# KiCad board control_board.kicad_pcb
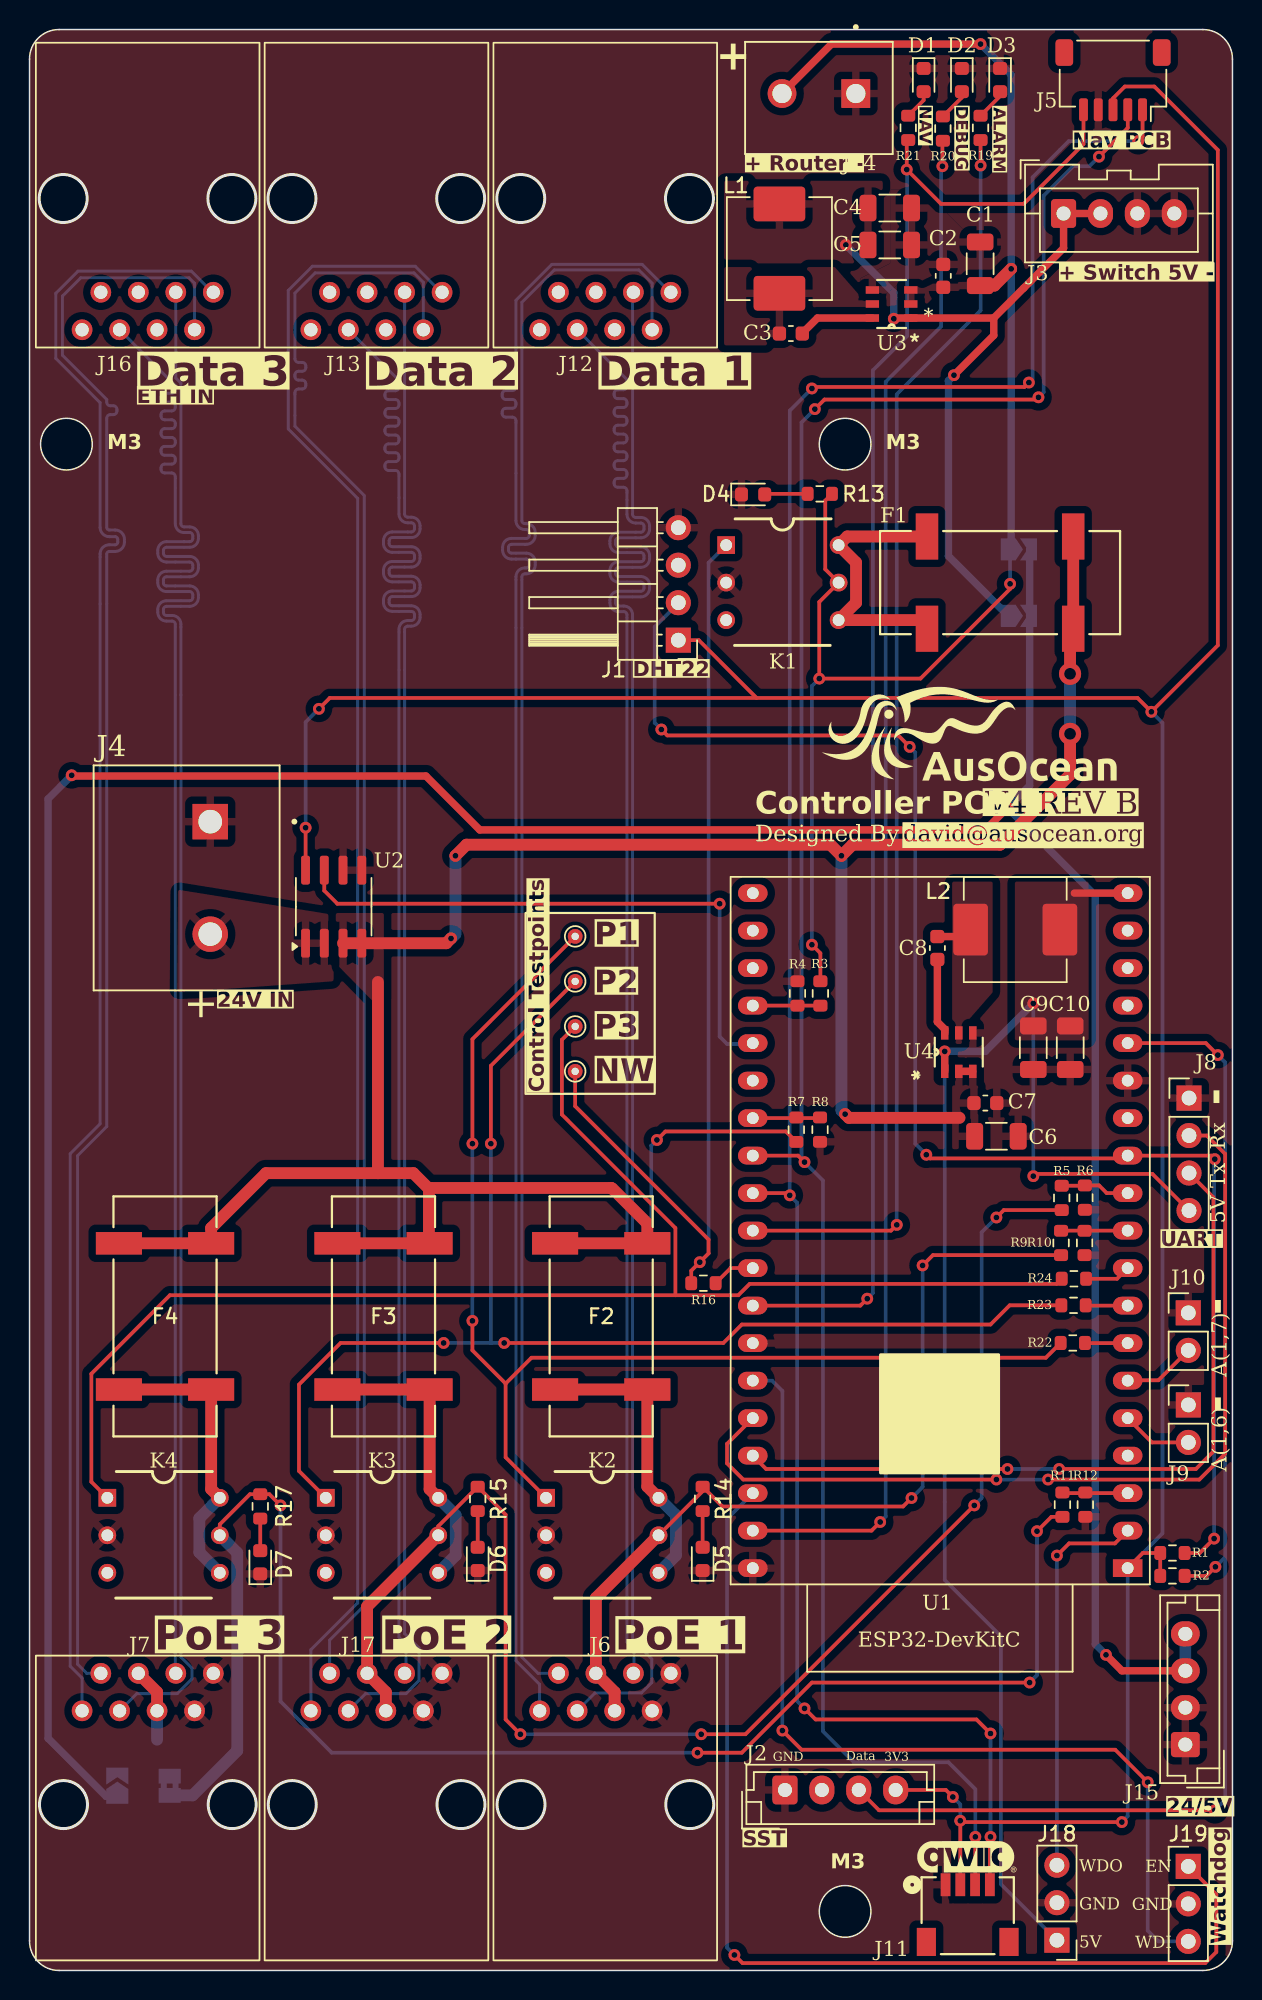
[diagram p0: board, top side]
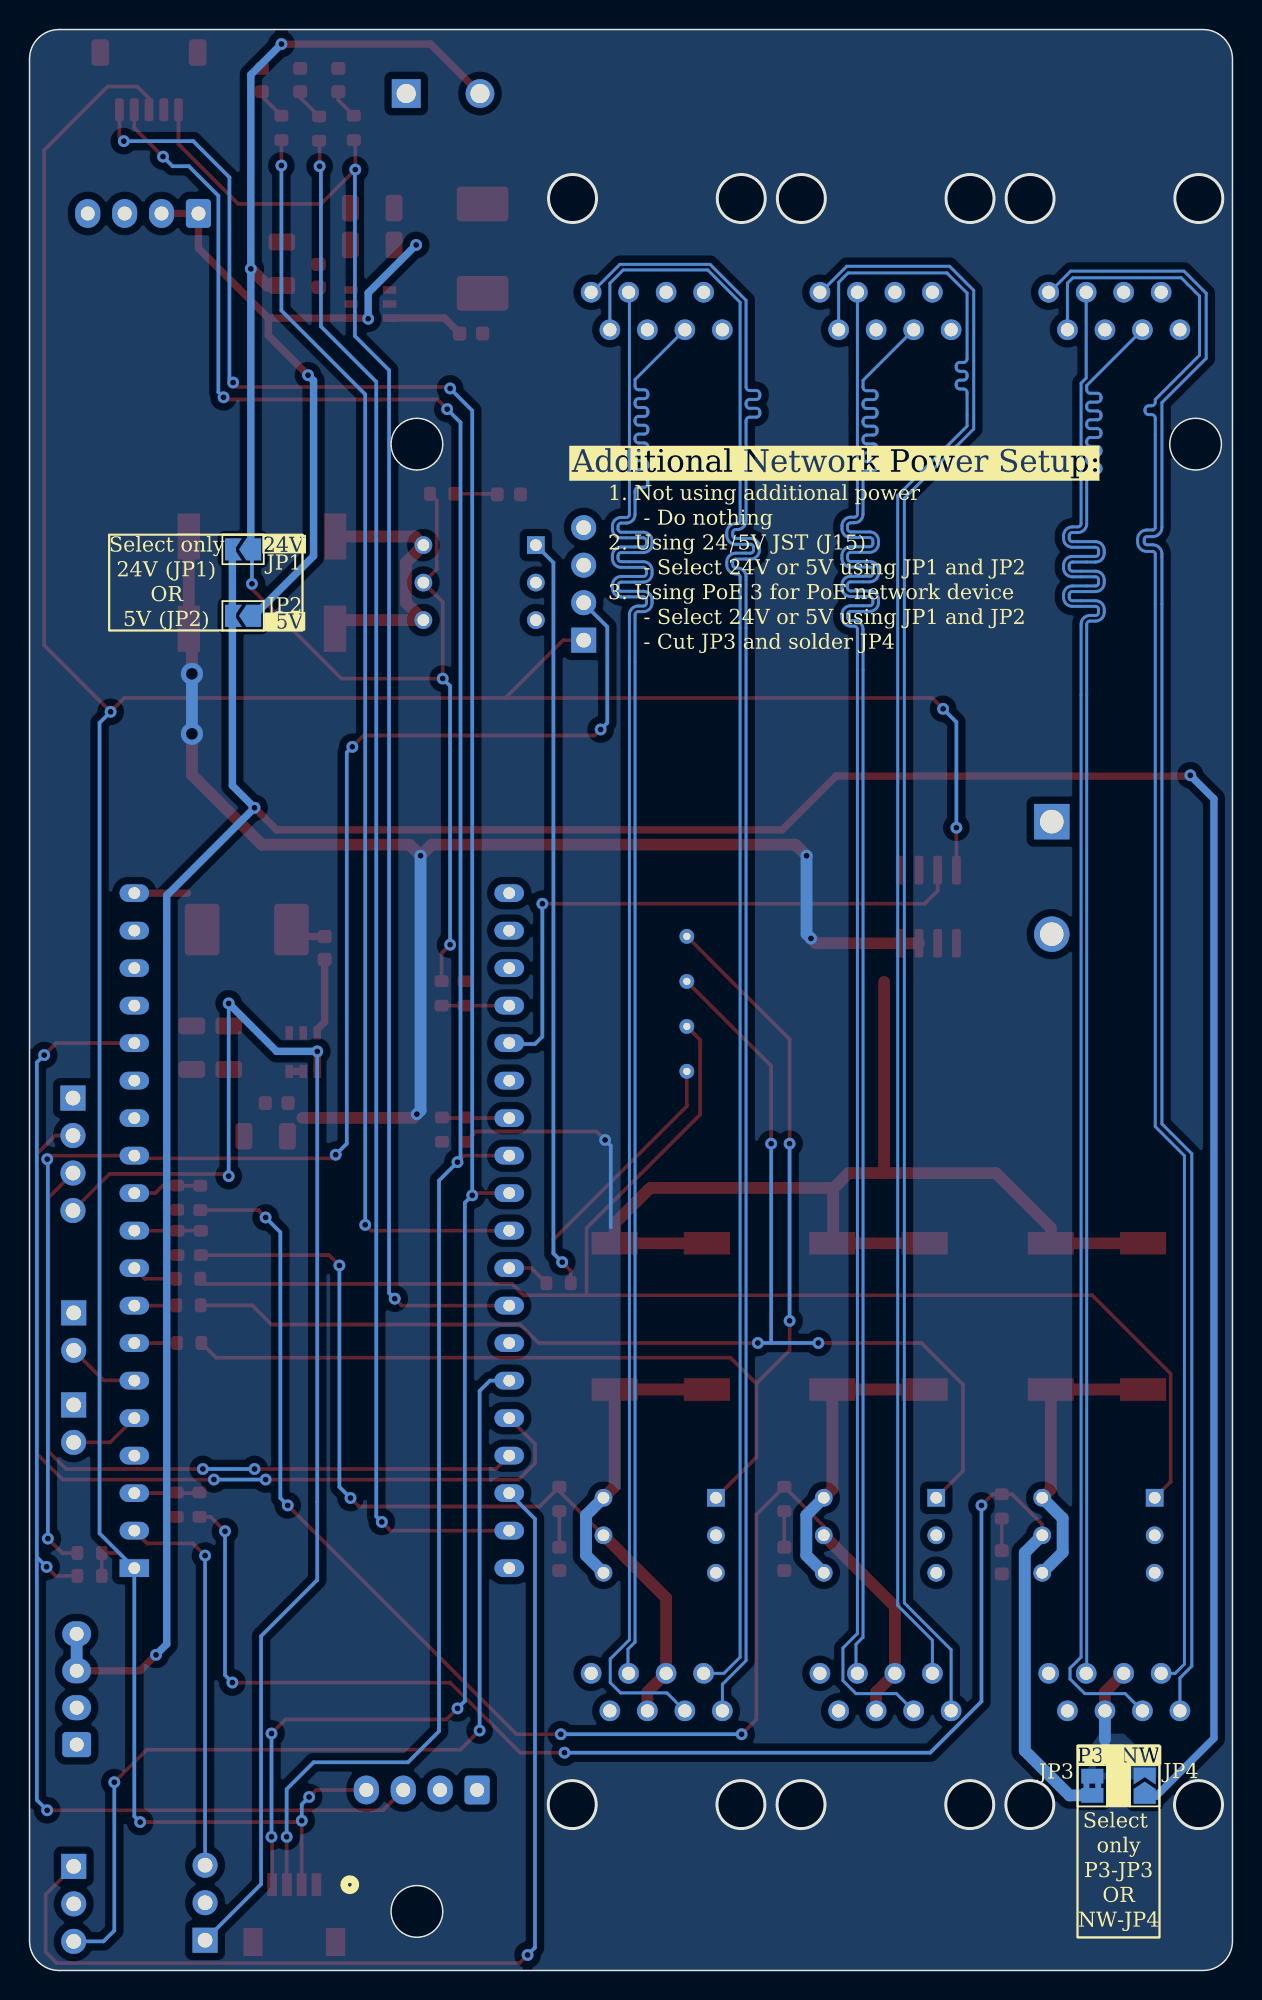
[diagram p1: board, bottom side, seen from below]

Outline 81.5 x 131.46 mm; copper layers: Top, Bottom. Coordinates in mm from the lower left corner of the outline.
Outline path: circle c2.5,103.38 r1.75 ; circle c55.26,103.38 r1.75 ; circle c55.26,4 r1.75 ; 0,129.46 arc(0.59,130.87) 2,131.46 79.5,131.46 arc(80.91,130.87) 81.5,129.46 81.5,2 arc(80.91,0.59) 79.5,0 2,0 arc(0.59,0.59) 0,2 0,129.46
Stack: Top 0.035mm / dielectric 1.51mm FR4 er 4.5 / Bottom 0.035mm

## Placement (name value [footprint] x y rotation side)
C1  10u  [C_1206_3216Metric]  64.41 115.59 90 top
C2  0.1u  [C_0603_1608Metric]  61.91 114.78 90 top
C3  0.1u  [C_0603_1608Metric]  51.58 110.87 180 top
C4  22u  [C_1206_3216Metric]  58.28 119.37 0 top
C5  22u  [C_1206_3216Metric]  58.28 116.87 0 top
C6  10u  [C_1206_3216Metric]  65.51 56.5 0 top
C7  0.1u  [C_0603_1608Metric]  64.76 58.75 0 top
C8  0.1u  [C_0603_1608Metric]  61.51 69.25 90 top
C9  22u  [C_1206_3216Metric]  68.01 62.5 270 top
C10  22u  [C_1206_3216Metric]  70.51 62.5 270 top
D1  LED (YELLOW)  [LED_0603_1608Metric]  60.58 128.04 270 top
D2  LED (BLUE)  [LED_0603_1608Metric]  63.17 128.04 270 top
D3  LED (RED)  [LED_0603_1608Metric]  65.76 128.04 270 top
D4  APHD1608LZGCK  [LED_0603_1608Metric]  49.02 99.97 0 top
D5  APHD1608LZGCK  [LED_0603_1608Metric]  45.6 27.88 90 top
D6  APHD1608LZGCK  [LED_0603_1608Metric]  30.36 27.88 90 top
D7  APHD1608LZGCK  [LED_0603_1608Metric]  15.63 27.65 90 top
F1  3588TR  [3588TR_FUSE_HOLDER]  65.76 94 270 top
F2  3588TR  [3588TR_FUSE_HOLDER]  38.73 44.3 0 top
F3  3588TR  [3588TR_FUSE_HOLDER]  23.98 44.3 0 top
F4  3588TR  [3588TR_FUSE_HOLDER]  9.18 44.3 0 top
G***  -  [LOGO]  63.66 83.75 0 top
G***#2  -  [LOGO]  63.45 7.76 0 top
J1  DHT22  [PinHeader_1x04_P2.54mm_Horizontal]  43.96 90.1 180 top
J2  DS18B20  [JST_EH_B4B-EH-A_1x04_P2.50mm_Vertical]  51.18 12.22 0 top
J3  Conn_01x04  [JST_XA_B04B-XASK-1_1x04_P2.50mm_Vertical]  70.06 119 0 top
J4  24V IN  [CUI_TB005-762-02BE]  12.24 77.81 270 top
J5  Conn_01x05_Pin  [JST_SH_SM05B-SRSS-TB_1x05-1MP_P1.00mm_Horizontal]  73.41 128.03 180 top
J6  PoE 1  [CONNFLY Elec DS1128-05-S8B8P]  39.01 20.12 0 top
J7  PoE 3  [CONNFLY Elec DS1128-05-S8B8P]  8.01 20.12 0 top
J8  UART  [PinHeader_1x04_P2.54mm_Vertical]  78.56 59.09 0 top
J9  ADC1,6  [PinHeader_1x02_P2.54mm_Vertical]  78.51 38.31 0 top
J10  ADC1,7  [PinHeader_1x02_P2.54mm_Vertical]  78.51 44.54 0 top
J11  Qwiic JST  [CONN_SM04B-SRSS-TB_JST]  63.56 3.71 180 top
J12  Data 1  [CONNFLY Elec DS1128-05-S8B8P]  39.01 111.12 180 top
J13  Data 2  [CONNFLY Elec DS1128-05-S8B8P]  23.51 111.12 180 top
J14  ROUTER 24V  [CUI_Screw_terminal_1x2]  55.98 127.12 180 top
J15  24V/5V OUT  [JST_EH_B4B-EH-A_1x04_P2.50mm_Vertical]  78.31 15.3 90 top
J16  Data 3  [CONNFLY Elec DS1128-05-S8B8P]  8.01 111.12 180 top
J17  PoE 2  [CONNFLY Elec DS1128-05-S8B8P]  23.51 20.12 0 top
J18  Conn_01x03  [PinHeader_1x03_P2.54mm_Vertical]  69.61 2.05 180 top
J19  Conn_01x03  [PinHeader_1x03_P2.54mm_Vertical]  78.51 7.05 0 top
JP1  SEL_24V  [SolderJumper-2_P1.3mm_Open_TrianglePad1.0x1.5mm]  67.03 96.25 0 bottom
JP2  SEL_5V  [SolderJumper-2_P1.3mm_Open_TrianglePad1.0x1.5mm]  67.03 91.75 0 bottom
JP3  SEL_P3  [SolderJumper-2_P1.3mm_Bridged2Bar_Pad1.0x1.5mm]  9.5 12.51 90 bottom
JP4  SEL_NW  [SolderJumper-2_P1.3mm_Open_TrianglePad1.0x1.5mm]  5.95 12.52 90 bottom
K1  LCA717  [DIP762W60P254L838H406Q6N]  51.01 94 0 top
K2  LCA717  [DIP762W60P254L838H406Q6N]  38.81 29.48 0 top
K3  LCA717  [DIP762W60P254L838H406Q6N]  23.88 29.48 0 top
K4  LCA717  [DIP762W60P254L838H406Q6N]  9.08 29.48 0 top
L1  6.8u  [L_Changjiang_FXL0630]  50.81 116.62 90 top
L2  6.8u  [L_Changjiang_FXL0630]  66.78 70.5 0 top
R1  4k7  [R_0603_1608Metric]  77.43 28.28 180 top
R2  4k7  [R_0603_1608Metric]  77.43 26.72 180 top
R3  150K  [R_0603_1608Metric]  53.58 66.18 270 top
R4  5K1  [R_0603_1608Metric]  52.03 66.18 90 top
R5  150K  [R_0603_1608Metric]  69.93 52.33 90 top
R6  5K1  [R_0603_1608Metric]  71.5 52.35 270 top
R7  150K  [R_0603_1608Metric]  51.95 56.95 90 top
R8  5K1  [R_0603_1608Metric]  53.56 56.95 270 top
R9  150K  [R_0603_1608Metric]  69.89 49.28 90 top
R10  5K1  [R_0603_1608Metric]  71.48 49.28 270 top
R11  150K  [R_0603_1608Metric]  69.98 31.55 90 top
R12  5K1  [R_0603_1608Metric]  71.53 31.55 270 top
R13  12K 1/4 W  [R_0603_1608Metric]  53.54 100.01 180 top
R14  12K 1/4 W  [R_0603_1608Metric]  45.6 31.94 270 top
R15  12K 1/4 W  [R_0603_1608Metric]  30.36 31.94 270 top
R16  2.2K  [R_0603_1608Metric]  45.66 46.55 0 top
R17  12K 1/4 W  [R_0603_1608Metric]  15.63 31.43 270 top
R19  280  [R_0603_1608Metric]  64.43 124.8 90 top
R20  120  [R_0603_1608Metric]  61.88 124.75 90 top
R21  280  [R_0603_1608Metric]  59.53 124.8 90 top
R22  2.2K  [R_0603_1608Metric]  70.68 42.5 0 top
R23  2.2K  [R_0603_1608Metric]  70.73 45.05 0 top
R24  2.2K  [R_0603_1608Metric]  70.76 46.85 0 top
TP1  TestPoint  [TestPoint_THTPad_D1.0mm_Drill0.5mm]  36.97 60.9 0 top
TP2  TestPoint  [TestPoint_THTPad_D1.0mm_Drill0.5mm]  36.97 70.04 0 top
TP3  TestPoint  [TestPoint_THTPad_D1.0mm_Drill0.5mm]  36.97 66.99 0 top
TP4  TestPoint  [TestPoint_THTPad_D1.0mm_Drill0.5mm]  36.97 63.94 0 top
U1  -  [ESP32-DevKitC]  74.4 27.25 180 top
U2  ACS722xLCTR-20AU  [SOIC-8_3.9x4.9mm_P1.27mm]  20.61 72.05 90 top
U3  AP63205WU-7  [SOIC_05WU-7_DIO]  58.41 112.87 180 top
U4  AP63205WU-7  [SOIC_05WU-7_DIO]  62.96 62.2 90 top

## Library data of the parts
C1-C10 = -: Description: Unpolarized capacitor, small symbol; ki_fp_filters: C_*
D1-D3 = -: ki_fp_filters: LED* LED_SMD:* LED_THT:*
D4-D7 = -: Description: Light emitting diode; ki_fp_filters: LED* LED_SMD:* LED_THT:*
F1-F4 = -: ki_fp_filters: 3588TR_6P73X16_KEY 3588TR_6P73X16_KEY-M 3588TR_6P73X16_KEY-L
J1 J3 = -: Description: Generic connector, single row, 01x04, script generated (kicad-library-utils/schlib/autogen/connector/); ki_fp_filters: Connector*:*_1x??_*
J2 J8-J10 J15 = -: ki_fp_filters: Connector*:*_1x??_*
J4 J14 = -: ki_fp_filters: TerminalBlock*:*
J5 = -: Description: Generic connector, single row, 01x05, script generated; ki_fp_filters: Connector*:*_1x??_*
J6 J7 J12 J13 J16 J17 = -: PARTREV: 1.0; STANDARD: Manufacturer Recommendations; MANUFACTURER: CUI Devices; MAXIMUM_PACKAGE_HEIGHT: 14.75mm
J11 = -: Datasheet: SM04B-SRSS-TB; ki_fp_filters: CONN_SM04B-SRSS-TB_JST
J18 J19 = -: Description: Generic connector, single row, 01x03, script generated (kicad-library-utils/schlib/autogen/connector/); ki_fp_filters: Connector*:*_1x??_*
JP1 JP2 JP4 = -: ki_fp_filters: Jumper* TestPoint*2Pads* TestPoint*Bridge*
JP3 = -: Description: Jumper, 2-pole, closed/bridged; ki_fp_filters: Jumper* TestPoint*2Pads* TestPoint*Bridge*
K1-K4 = -: Description: Single-Pole, Normally Open OptoMOS Relay; MANUFACTURER_NAME: IXYS SEMICONDUCTOR; MF: IXYS Integrated; MOUSER_PRICE-STOCK: https://www.mouser.co.uk/ProductDetail/IXYS-Integrated-Circuits/LCA717?qs=OpMkDkHXivO6K%2FzyQPme%2FA%3D%3D; MOUSER_PART_NUMBER: 849-LCA717; Price: None; Package: DIP-6 IXYS Integrated Circuits; Check_prices: https://www.snapeda.com/parts/LCA717/IXYS/view-part/?ref=eda; HEIGHT: 4.064mm; SnapEDA_Link: https://www.snapeda.com/parts/LCA717/IXYS/view-part/?ref=snap; ARROW_PRICE-STOCK: https://www.arrow.com/en/products/lca717/ixys; Description_1: Solid State  SPST-NO (1 Form A) 6-SMD (0.300, 7.62mm); Availability: In Stock
L1 L2 = -: Description: Inductor, small symbol; ki_fp_filters: Choke_* *Coil* Inductor_* L_*
R1-R12 R16 R22-R24 = -: ki_fp_filters: R_*
R13-R15 R17 = -: Description: Resistor; ki_fp_filters: R_*
R19-R21 = -: Description: Resistor, small symbol; ki_fp_filters: R_*
TP1-TP4 = -: Description: test point; ki_fp_filters: Pin* Test*
U1 = -: Datasheet: https://docs.espressif.com/projects/esp-idf/zh_CN/latest/esp32/hw-reference/esp32/get-started-devkitc.html
U2 = -: Datasheet: http://www.allegromicro.com/~/media/Files/Datasheets/ACS722-Datasheet.ashx?la=en; ki_fp_filters: SOIC*3.9x4.9mm*P1.27mm*
U3 U4 = -: ki_fp_filters: SOIC_05WU-7_DIO SOIC_05WU-7_DIO-M SOIC_05WU-7_DIO-L

## Footprints (pads in the part's own frame, mm; a bottom-side part is the same pattern mirrored in y, then rotated)
3588TR_FUSE_HOLDER
  rect 3.124x1.524 smd: 1(-3.124,4.953) 2(3.124,4.953) 3(-3.124,-4.953) 4(3.124,-4.953)
C_0603_1608Metric
  rrect 0.9x0.95 smd: 1(-0.775,0) 2(0.775,0)
C_1206_3216Metric
  rrect 1.15x1.8 smd: 1(-1.475,0) 2(1.475,0)
CONN_SM04B-SRSS-TB_JST
  rect 0.66x1.549 smd: 1(1.5,-2.099) 2(0.5,-2.099) 3(-0.5,-2.099) 4(-1.5,-2.099)
  rect 1.295x1.905 smd: 5(-2.8,1.777) 6(2.8,1.777)
CONNFLY Elec DS1128-05-S8B8P
  round 1.4 hole 0.9: 1(-4.445,-2.54) 2(-3.175,0) 3(-1.905,-2.54) 4(-0.635,0) 5(0.635,-2.54) 6(1.905,0) 7(3.175,-2.54) 8(4.445,0)
CUI_Screw_terminal_1x2
  rect 1.95x1.95 hole 1.3: 1(0,0)
  round 1.95 hole 1.3: 2(5,0)
CUI_TB005-762-02BE
  rect 2.4x2.4 hole 1.6: 1(0,0)
  round 2.4 hole 1.6: 2(7.62,0)
DIP762W60P254L838H406Q6N
  rect 1.2x1.2 hole 0.8: 1(-3.81,2.54)
  round 1.2 hole 0.8: 2(-3.81,0) 3(-3.81,-2.54) 4(3.81,-2.54) 5(3.81,0) 6(3.81,2.54)
ESP32-DevKitC
  rect 2x1.2 hole 0.8: 1(0,0)
  oval 2x1.2 hole 0.8: 2(0,-2.54) 3(0,-5.08) 4(0,-7.62) 5(0,-10.16) 6(0,-12.7) 7(0,-15.24) 8(0,-17.78) 9(0,-20.32) 10(0,-22.86) 11(0,-25.4) 12(0,-27.94) 13(0,-30.48) 14(0,-33.02) 15(0,-35.56) 16(0,-38.1) 17(0,-40.64) 18(0,-43.18) 19(0,-45.72) 20(25.396,-45.717) 21(25.396,-43.177) 22(25.4,-40.64) 23(25.4,-38.1) 24(25.4,-35.56) 25(25.4,-33.02) 26(25.4,-30.48) 27(25.4,-27.94) 28(25.4,-25.4) 29(25.4,-22.86) 30(25.4,-20.32) 31(25.4,-17.78) 32(25.4,-15.24) 33(25.4,-12.7) 34(25.4,-10.16) 35(25.4,-7.62) 36(25.4,-5.08) 37(25.4,-2.54) 38(25.4,0)
JST_EH_B4B-EH-A_1x04_P2.50mm_Vertical
  rrect 1.7x1.95 hole 0.95: 1(0,0)
  oval 1.7x1.95 hole 0.95: 2(2.5,0) 3(5,0) 4(7.5,0)
JST_SH_SM05B-SRSS-TB_1x05-1MP_P1.00mm_Horizontal
  rrect 0.6x1.55 smd: 1(-2,2) 2(-1,2) 3(0,2) 4(1,2) 5(2,2)
  rrect 1.2x1.8 smd: MP(-3.3,-1.875) MP(3.3,-1.875)
JST_XA_B04B-XASK-1_1x04_P2.50mm_Vertical
  rrect 1.7x1.95 hole 0.95: 1(0,0)
  oval 1.7x1.95 hole 0.95: 2(2.5,0) 3(5,0) 4(7.5,0)
L_Changjiang_FXL0630
  rrect 2.35x3.5 smd: 1(-3.025,0) 2(3.025,0)
LED_0603_1608Metric
  rrect 0.875x0.95 smd: 1(-0.787,0) 2(0.787,0)
PinHeader_1x02_P2.54mm_Vertical
  rect 1.7x1.7 hole 1: 1(0,0)
  oval 1.7x1.7 hole 1: 2(0,-2.54)
PinHeader_1x03_P2.54mm_Vertical
  rect 1.7x1.7 hole 1: 1(0,0)
  oval 1.7x1.7 hole 1: 2(0,-2.54) 3(0,-5.08)
PinHeader_1x04_P2.54mm_Horizontal
  rect 1.7x1.7 hole 1: 1(0,0)
  oval 1.7x1.7 hole 1: 2(0,-2.54) 3(0,-5.08) 4(0,-7.62)
PinHeader_1x04_P2.54mm_Vertical
  rect 1.7x1.7 hole 1: 1(0,0)
  oval 1.7x1.7 hole 1: 2(0,-2.54) 3(0,-5.08) 4(0,-7.62)
R_0603_1608Metric
  rrect 0.8x0.95 smd: 1(-0.825,0) 2(0.825,0)
SOIC-8_3.9x4.9mm_P1.27mm
  rrect 1.95x0.6 smd: 1(-2.475,1.905) 2(-2.475,0.635) 3(-2.475,-0.635) 4(-2.475,-1.905) 5(2.475,-1.905) 6(2.475,-0.635) 7(2.475,0.635) 8(2.475,1.905)
SOIC_05WU-7_DIO
  rect 0.902x0.508 smd: 1(-1.302,0.95) 2(-1.302,0) 3(-1.302,-0.95) 4(1.302,-0.95) 5(1.302,0) 6(1.302,0.95)
SolderJumper-2_P1.3mm_Bridged2Bar_Pad1.0x1.5mm
  rect 1x1.5 smd: 1(-0.65,0) 2(0.65,0)
SolderJumper-2_P1.3mm_Open_TrianglePad1.0x1.5mm
  custom 1.5x1.5 smd: 1(-0.725,0)
  custom 1.15x1.5 smd: 2(0.725,0)
TestPoint_THTPad_D1.0mm_Drill0.5mm
  round 1 hole 0.5: 1(0,0)

## Nets
5VIN: C9.1 C10.1 J8.4 J18.1 L2.2 U1.19 U4.1
24VIN: C6.1 C7.1 F1.1 F1.2 F2.1 F2.2 F3.1 F3.2 F4.1 F4.2 R7.1 U2.3 U2.4 U4.2 U4.3
+3V3: J1.1 J2.4 J5.3 J11.2 R1.2 R2.2 U1.1 U2.8
GND: C1.2 C2.2 C4.2 C5.2 C6.2 C7.2 C9.2 C10.2 D1.1 D2.1 D3.1 D4.1 D5.1 D6.1 D7.1 J1.4 J2.1 J3.3 J3.4 J4.1 J5.4 J6.7 J6.8 J7.7 J7.8 J8.1 J9.1 J10.1 J11.1 J14.1 J15.1 J15.2 J17.7 J17.8 J18.2 J19.2 K1.2 K2.2 K3.2 K4.2 R4.2 R6.2 R8.2 R10.2 R12.2 U1.14 U1.32 U1.38 U2.5 U2.6 U3.4 U4.4
5-24VOUT: J15.3 J15.4 JP1.2 JP2.2 JP4.1
_24V_in: R7.2 R8.1 U1.26
_NW_out: R3.2 R4.1 U1.23
_P1_out: R9.2 R10.1 U1.10
_P2_out: R5.2 R6.1 U1.11
_P3_out: R11.2 R12.1 U1.3
ADC1,6: J9.2 U1.5
ADC1,7: J10.2 U1.6
Alarm_LED: R19.1 U1.29
D1_Rx+: J6.1 J12.1
D1_Rx-: J6.2 J12.2
D1_Tx+: J6.3 J12.3
D1_Tx-: J6.6 J12.6
D2_Rx+: J13.1 J17.1
D2_Rx-: J13.2 J17.2
D2_Tx+: J13.3 J17.3
D2_Tx-: J13.6 J17.6
D3_Rx+: J7.1 J16.1
D3_Rx-: J7.2 J16.2
D3_Tx+: J7.3 J16.3
D3_Tx-: J7.6 J16.6
DHT: J1.2 R1.1 U1.12
EN: J18.3 U1.2
I_in: U1.24 U2.7
LED0: R20.1 U1.37
Navlight: J5.5 R21.1 U1.31
NW: R16.2 U1.30
NW_5V: C4.1 C5.1 J3.1 J3.2 JP2.1 L1.2 U3.1
NW_out: C1.1 C2.1 J14.2 JP1.1 K1.5 R3.1 R13.1 U3.2 U3.3
P1_out: J6.4 J6.5 K2.5 R9.1 R14.1
P2_out: J17.4 J17.5 K3.5 R5.1 R15.1
P3_NW: J7.4 J7.5 JP3.2 JP4.2
P3_out: JP3.1 K4.5 R11.1 R17.1
Power 1: R22.2 U1.7
Power 2: R23.2 U1.8
Power 3: R24.2 U1.9
RX: J8.2 U1.34
SCL: J5.1 J11.4 U1.28
SDA: J5.2 J11.3 U1.27
SST: J2.3 R2.1 U1.15
TX: J8.3 U1.35
WD_EN*: J19.1 U1.36
WD_IN: J19.3 U1.33
Net-(D1-A): D1.2 R21.2
Net-(D2-A): D2.2 R20.2
Net-(D3-A): D3.2 R19.2
Net-(D4-A): D4.2 R13.2
Net-(D5-A): D5.2 R14.2
Net-(D6-A): D6.2 R15.2
Net-(D7-A): D7.2 R17.2
Net-(J4-Pin_2): J4.2 U2.1 U2.2
Net-(K1-+CONTROL): K1.1 R16.1 TP1.1
Net-(K1-LOAD1): F1.3 F1.4 K1.4 K1.6
Net-(K2-+CONTROL): K2.1 R22.1 TP2.1
Net-(K2-LOAD1): F2.3 F2.4 K2.4 K2.6
Net-(K3-+CONTROL): K3.1 R23.1 TP3.1
Net-(K3-LOAD1): F3.3 F3.4 K3.4 K3.6
Net-(K4-+CONTROL): K4.1 R24.1 TP4.1
Net-(K4-LOAD1): F4.3 F4.4 K4.4 K4.6
Net-(U3-BST): C3.1 U3.6
Net-(U3-SW): C3.2 L1.1 U3.5
Net-(U4-BST): C8.1 U4.6
Net-(U4-SW): C8.2 L2.1 U4.5

Pads without a net: J1 3; J2 2; J5 MP; J11 5 6; J12 4 5 7 8; J13 4 5 7 8; J16 4 5 7 8; K1 3; K2 3; K3 3; K4 3; U1 4 13 16 17 18 20 21 22 25

## Via types
v1: diameter 0.8, hole 0.4, Top to Bottom, 76 vias
v2: diameter 1.5, hole 0.8, Top to Bottom, 2 vias

## Routing (per net, layer and track width the routed paths; a pad name or vN(x,y) marks a point on that pad's centre or on a via; arc(x,y) is an arc through that point)
5VIN: length 99
  Top w0.25: v1(68.01,53.8) 68.16,53.95 76.08,53.95 J8.4
  Top w0.5: U1.19 70.79,72.97 ; U4.1 v1(62.01,62.25)
  Bottom w0.25: J18.1 65.81,5.84 65.81,22.65 62.01,26.45 v1(62.01,62.25) ; v1(68.01,53.8) v1(68.01,65.5)
  Bottom w0.5: v1(62.01,62.25) 64.76,62.25 v1(68.01,65.5)
24VIN: length 186.7
  Top w0.25: R7.1 51.25,56.83 43.08,56.83 v1(42.51,56.25)
  Top w0.5: U4.2 U4.3
  Top w0.8: v2(70.5,83.76) 70.5,80.99 65.76,76.25 55.76,76.25 v1(55.01,75.5) 54.26,76.25 29.61,76.25 v1(28.86,75.5) ; v2(70.5,87.82) 70.5,90.66 F1.2 F1.1 ; 21.24,69.58 28.23,69.58 v1(28.56,69.9) ; 63.01,57.75 55.51,57.75 v1(55.26,58) ; 23.61,54 23.61,66.95 ; 23.61,54 26.01,54 27.06,52.95 ; 23.61,54 16.02,54 12.31,50.29 F4.2 F4.1 ; 27.06,52.95 27.11,53 39.4,53 39.45,52.95 ; 27.06,52.95 27.06,49.3 F3.2 F3.1 ; 39.48,52.97 41.86,50.59 F2.2 F2.1
  Bottom w0.25: v1(42.51,56.25) 42.12,55.86 42.12,50.33
  Bottom w0.8: v1(55.01,75.5) 55.01,58.25 v1(55.26,58) ; v1(28.86,75.5) 28.86,70.2 v1(28.56,69.9) ; v2(70.5,83.76) v2(70.5,87.82)
+3V3: length 227.3
  Top w0.25: v1(19.61,85.45) 20.34,86.19 49.26,86.19 ; U2.8 18.71,74.53 v1(18.71,77.4) ; 49.26,86.19 45.34,90.1 J1.1 ; 49.26,86.19 75.07,86.19 v1(76.01,85.25) 80.51,89.75 80.51,123.3 76.21,127.6 74.21,127.6 73.41,126.8 J5.3 ; J2.4 62.08,12.22 v1(62.56,11.75) ; J11.2 63.06,10.14 v1(63.06,10.15) 63.15,10.05 v1(74.01,10.05) ; U1.1 75.43,28.28 R1.2 R2.2
  Bottom w0.25: v1(63.06,10.15) 63.06,11.25 v1(62.56,11.75) ; v1(74.01,10.05) 74.4,10.44 U1.1 76.76,29.61 76.76,84.5 v1(76.01,85.25) ; v1(19.61,85.45) 18.71,84.55 v1(18.71,77.4)
GND: length 0.1
  Bottom w0.25: 78.51,15.35 78.51,15.42
5-24VOUT: length 224.3
  Top w0.5: v1(66.26,78.75) 64.76,77.25 30.51,77.25 26.86,80.9 2.91,80.9 v1(2.86,80.95) ; v1(72.93,21.38) 74.01,20.3 J15.3
  Bottom w0.5: JP4.1 5.19,11.79 1.26,15.72 1.26,79.35 v1(2.86,80.95) ; JP1.2 JP2.2 67.76,80.25 v1(66.26,78.75) 72.21,72.8 72.21,22.1 v1(72.93,21.38)
  Bottom w0.8: J15.4 J15.3
_24V_in: length 4.6
  Top w0.25: U1.26 53.51,57.73 R8.1
_NW_out: length 4.6
  Top w0.25: U1.23 R3.2
_P1_out: length 4.5
  Top w0.25: R9.2 69.9,50.11 U1.10
_P2_out: length 4.7
  Top w0.25: R5.2 71.48,53.15 R6.1 72.46,53.17 72.98,52.65 U1.11
_P3_out: length 4.4
  Top w0.25: U1.3 70.03,32.33 69.98,32.38
ADC1,6: length 4.8
  Top w0.25: J9.2 76.05,35.77 U1.5
ADC1,7: length 5
  Top w0.25: U1.6 74.43,39.98 76.48,39.98 J10.2
Alarm_LED: length 85.8
  Top w0.25: 64.44,124.02 64.43,124.02 64.43,122.26 v1(64.44,122.25) ; v1(58.76,50.5) 58.37,50.11 U1.29
  Bottom w0.25: v1(64.44,122.25) 64.44,112.43 58.76,106.75 v1(58.76,50.5)
D1_Rx+: length 115.5
  Bottom w0.2: J6.1 34.56,17.59 34.56,19.38 32.96,20.98 32.96,94.39 arc(33.13,94.82) 33.56,94.99 33.66,94.99 arc(33.8,95.05) 33.86,95.19 33.86,95.39 arc(33.8,95.54) 33.66,95.59 32.65,95.59 arc(32.23,95.77) 32.05,96.19 32.05,96.39 arc(32.23,96.82) 32.65,96.99 33.66,96.99 arc(33.8,97.05) 33.86,97.19 33.86,97.39 arc(33.8,97.54) 33.66,97.59 33.56,97.59 arc(33.13,97.77) 32.96,98.19 32.96,104.97 arc(32.89,105.14) 32.72,105.21 32.26,105.21 arc(32.09,105.28) 32.02,105.45 32.02,105.57 arc(32.09,105.74) 32.26,105.81 32.72,105.81 arc(32.89,105.88) 32.96,106.05 32.96,106.17 arc(32.89,106.34) 32.72,106.41 32.26,106.41 arc(32.09,106.48) 32.02,106.65 32.02,106.77 arc(32.09,106.94) 32.26,107.01 32.72,107.01 arc(32.89,107.08) 32.96,107.25 32.96,113.12 35.39,115.56 41.5,115.56 43.39,113.67 J12.1
D1_Rx-: length 112
  Bottom w0.2: J6.2 34.45,20.12 33.36,21.22 33.36,94.39 arc(33.41,94.54) 33.56,94.59 33.66,94.59 arc(34.08,94.77) 34.26,95.19 34.26,95.39 arc(34.08,95.82) 33.66,95.99 32.65,95.99 arc(32.51,96.05) 32.45,96.19 32.45,96.39 arc(32.51,96.54) 32.65,96.59 33.66,96.59 arc(34.08,96.77) 34.26,97.19 34.26,97.39 arc(34.08,97.82) 33.66,97.99 33.56,97.99 arc(33.41,98.05) 33.36,98.19 33.36,112.98 35.55,115.18 41.28,115.18 42.18,114.28 J12.2
D1_Tx+: length 112
  Bottom w0.2: J6.3 38.32,18.8 41.46,18.8 42.16,19.5 42.16,21.1 40.86,22.4 40.86,91.82 arc(40.68,92.24) 40.27,92.41 39.91,92.41 arc(39.76,92.48) 39.7,92.62 39.7,92.82 arc(39.76,92.97) 39.91,93.03 41.42,93.03 arc(41.84,93.21) 42.01,93.62 42.01,93.82 arc(41.84,94.24) 41.42,94.41 39.91,94.41 arc(39.76,94.48) 39.7,94.62 39.7,94.82 arc(39.76,94.97) 39.91,95.03 41.42,95.03 arc(41.84,95.21) 42.01,95.62 42.01,95.82 arc(41.84,96.24) 41.42,96.41 39.91,96.41 arc(39.76,96.48) 39.7,96.62 39.7,96.82 arc(39.76,96.97) 39.91,97.03 41.42,97.03 arc(41.84,97.21) 42.01,97.62 42.01,97.82 arc(41.84,98.24) 41.42,98.41 41.07,98.41 arc(40.92,98.48) 40.86,98.62 40.86,113.61 J12.3
D1_Tx-: length 112
  Bottom w0.2: J12.6 40.48,107.75 40.48,107.3 arc(40.41,107.13) 40.24,107.06 39.85,107.06 arc(39.68,106.99) 39.61,106.82 39.61,106.7 arc(39.68,106.53) 39.85,106.46 40.24,106.46 arc(40.41,106.39) 40.48,106.22 40.48,106.1 arc(40.41,105.93) 40.24,105.86 39.85,105.86 arc(39.68,105.79) 39.61,105.62 39.61,105.5 arc(39.68,105.33) 39.85,105.26 40.24,105.26 arc(40.41,105.19) 40.48,105.02 40.48,104.9 arc(40.41,104.73) 40.24,104.66 39.85,104.66 arc(39.68,104.59) 39.61,104.42 39.61,104.3 arc(39.68,104.13) 39.85,104.06 40.24,104.06 arc(40.41,103.99) 40.48,103.82 40.48,103.7 arc(40.41,103.53) 40.24,103.46 39.85,103.46 arc(39.68,103.39) 39.61,103.22 39.61,103.1 arc(39.68,102.93) 39.85,102.86 40.24,102.86 arc(40.41,102.79) 40.48,102.62 40.48,102.5 arc(40.41,102.33) 40.24,102.26 39.85,102.26 arc(39.68,102.19) 39.61,102.02 39.61,101.9 arc(39.68,101.73) 39.85,101.66 40.24,101.66 arc(40.41,101.59) 40.48,101.42 40.48,101.3 arc(40.41,101.13) 40.24,101.06 39.85,101.06 arc(39.68,100.99) 39.61,100.82 39.61,100.7 arc(39.68,100.53) 39.85,100.46 40.24,100.46 arc(40.41,100.39) 40.48,100.22 40.48,98.62 arc(40.65,98.21) 41.07,98.03 41.42,98.03 arc(41.57,97.97) 41.63,97.82 41.63,97.62 arc(41.57,97.48) 41.42,97.41 39.91,97.41 arc(39.49,97.24) 39.32,96.82 39.32,96.62 arc(39.49,96.21) 39.91,96.03 41.42,96.03 arc(41.57,95.97) 41.63,95.82 41.63,95.62 arc(41.57,95.48) 41.42,95.41 39.91,95.41 arc(39.49,95.24) 39.32,94.82 39.32,94.62 arc(39.49,94.21) 39.91,94.03 41.42,94.03 arc(41.57,93.97) 41.63,93.82 41.63,93.62 arc(41.57,93.48) 41.42,93.41 39.91,93.41 arc(39.49,93.24) 39.32,92.82 39.32,92.62 arc(39.49,92.21) 39.91,92.03 40.27,92.03 arc(40.41,91.97) 40.48,91.82 40.48,22.24 40.96,21.76 40.96,20.17 J6.6
D2_Rx+: length 111.3
  Bottom w0.2: J17.1 19.06,21.72 22.23,24.89 22.23,99.71 17.53,104.41 17.53,113.79 19.16,115.43 26.13,115.43 27.89,113.67 J13.1
D2_Rx-: length 111.3
  Bottom w0.2: J17.2 20.33,22.38 22.68,24.72 22.68,99.89 17.98,104.59 17.98,106.88 arc(18.05,107.05) 18.22,107.12 18.48,107.12 arc(18.65,107.19) 18.72,107.36 18.72,107.48 arc(18.65,107.65) 18.48,107.72 18.22,107.72 arc(18.05,107.79) 17.98,107.96 17.98,108.08 arc(18.05,108.25) 18.22,108.32 18.48,108.32 arc(18.65,108.39) 18.72,108.56 18.72,108.68 arc(18.65,108.85) 18.48,108.92 18.22,108.92 arc(18.05,108.99) 17.98,109.16 17.98,113.61 19.35,114.98 26.04,114.98 26.68,114.34 J13.2
D2_Tx+: length 112
  Bottom w0.2: J17.3 22.77,18.75 25.51,18.75 26.39,19.64 26.39,21.84 25.41,22.82 25.41,90.84 arc(25.47,90.99) 25.62,91.05 25.87,91.05 arc(26.29,91.22) 26.46,91.64 26.46,91.84 arc(26.29,92.26) 25.87,92.43 24.57,92.43 arc(24.42,92.49) 24.36,92.64 24.36,92.84 arc(24.42,92.99) 24.57,93.05 25.87,93.05 arc(26.29,93.22) 26.46,93.64 26.46,93.84 arc(26.29,94.26) 25.87,94.43 24.57,94.43 arc(24.42,94.49) 24.36,94.64 24.36,94.84 arc(24.42,94.99) 24.57,95.05 25.87,95.05 arc(26.29,95.22) 26.46,95.64 26.46,95.84 arc(26.29,96.26) 25.87,96.43 24.57,96.43 arc(24.42,96.49) 24.36,96.64 24.36,96.84 arc(24.42,96.99) 24.57,97.05 25.87,97.05 arc(26.29,97.22) 26.46,97.64 26.46,97.84 arc(26.29,98.26) 25.87,98.43 25.62,98.43 arc(25.47,98.49) 25.41,98.64 J13.3
D2_Tx-: length 112
  Bottom w0.2: J17.6 25.51,20.22 25.51,22.09 25.03,22.57 25.03,90.84 arc(25.2,91.26) 25.62,91.43 25.87,91.43 arc(26.02,91.49) 26.08,91.64 26.08,91.84 arc(26.02,91.99) 25.87,92.05 24.57,92.05 arc(24.16,92.22) 23.98,92.64 23.98,92.84 arc(24.16,93.26) 24.57,93.43 25.87,93.43 arc(26.02,93.49) 26.08,93.64 26.08,93.84 arc(26.02,93.99) 25.87,94.05 24.57,94.05 arc(24.16,94.22) 23.98,94.64 23.98,94.84 arc(24.16,95.26) 24.57,95.43 25.87,95.43 arc(26.02,95.49) 26.08,95.64 26.08,95.84 arc(26.02,95.99) 25.87,96.05 24.57,96.05 arc(24.16,96.22) 23.98,96.64 23.98,96.84 arc(24.16,97.26) 24.57,97.43 25.87,97.43 arc(26.02,97.49) 26.08,97.64 26.08,97.84 arc(26.02,97.99) 25.87,98.05 25.62,98.05 arc(25.2,98.22) 25.03,98.64 25.03,101.36 arc(24.96,101.53) 24.79,101.6 24.32,101.6 arc(24.15,101.67) 24.08,101.84 24.08,101.96 arc(24.15,102.13) 24.32,102.2 24.79,102.2 arc(24.96,102.27) 25.03,102.44 25.03,102.56 arc(24.96,102.73) 24.79,102.8 24.32,102.8 arc(24.15,102.87) 24.08,103.04 24.08,103.16 arc(24.15,103.33) 24.32,103.4 24.79,103.4 arc(24.96,103.47) 25.03,103.64 25.03,103.76 arc(24.96,103.93) 24.79,104 24.32,104 arc(24.15,104.07) 24.08,104.24 24.08,104.36 arc(24.15,104.53) 24.32,104.6 24.79,104.6 arc(24.96,104.67) 25.03,104.84 25.03,104.96 arc(24.96,105.13) 24.79,105.2 24.32,105.2 arc(24.15,105.27) 24.08,105.44 24.08,105.56 arc(24.15,105.73) 24.32,105.8 24.79,105.8 arc(24.96,105.87) 25.03,106.04 25.03,106.16 arc(24.96,106.33) 24.79,106.4 24.32,106.4 arc(24.15,106.47) 24.08,106.64 24.08,106.76 arc(24.15,106.93) 24.32,107 24.79,107 arc(24.96,107.07) 25.03,107.24 25.03,107.7 J13.6
D3_Rx+: length 112
  Bottom w0.2: J7.1 3.56,19.81 2.76,20.61 2.76,55.32 4.78,57.34 4.78,95.94 arc(4.96,96.38) 5.41,96.56 5.8,96.56 arc(5.93,96.61) 5.98,96.74 5.98,96.94 arc(5.93,97.06) 5.8,97.11 5.41,97.11 arc(4.96,97.29) 4.78,97.74 4.78,106.19 1.78,109.19 1.78,113.59 3.28,115.09 10.96,115.09 12.39,113.67 J16.1
D3_Rx-: length 112
  Bottom w0.2: J16.2 11.18,114.28 10.81,114.65 3.47,114.65 2.23,113.41 2.23,109.4 5.23,106.4 5.23,106.22 arc(5.3,106.05) 5.47,105.98 5.68,105.98 arc(5.85,105.91) 5.92,105.74 5.92,105.62 arc(5.85,105.45) 5.68,105.38 5.47,105.38 arc(5.3,105.31) 5.23,105.14 5.23,97.74 arc(5.28,97.61) 5.41,97.56 5.8,97.56 arc(6.25,97.38) 6.43,96.94 6.43,96.74 arc(6.25,96.29) 5.8,96.11 5.41,96.11 arc(5.28,96.06) 5.23,95.94 5.23,57.16 3.26,55.18 3.26,20.75 3.88,20.12 J7.2
D3_Tx+: length 112
  Bottom w0.2: J7.3 7.27,18.75 10.01,18.75 11.01,19.75 11.01,20.47 10.26,21.22 10.26,91.18 arc(10.08,91.6) 9.67,91.77 9.28,91.77 arc(9.13,91.83) 9.07,91.98 9.07,92.18 arc(9.13,92.33) 9.28,92.39 10.85,92.39 arc(11.27,92.57) 11.44,92.98 11.44,93.18 arc(11.27,93.6) 10.85,93.77 9.28,93.77 arc(9.13,93.83) 9.07,93.98 9.07,94.18 arc(9.13,94.33) 9.28,94.39 10.85,94.39 arc(11.27,94.57) 11.44,94.98 11.44,95.18 arc(11.27,95.6) 10.85,95.77 9.28,95.77 arc(9.13,95.83) 9.07,95.98 9.07,96.18 arc(9.13,96.33) 9.28,96.39 10.85,96.39 arc(11.27,96.57) 11.44,96.98 11.44,97.18 arc(11.27,97.6) 10.85,97.77 10.47,97.77 arc(10.32,97.83) 10.26,97.98 10.26,107.51 9.91,107.85 J16.3
D3_Tx-: length 112
  Bottom w0.2: J16.6 9.88,107.35 9.88,107.07 arc(9.81,106.9) 9.64,106.83 9.15,106.83 arc(8.98,106.76) 8.91,106.59 8.91,106.47 arc(8.98,106.3) 9.15,106.23 9.64,106.23 arc(9.81,106.16) 9.88,105.99 9.88,105.87 arc(9.81,105.7) 9.64,105.63 9.15,105.63 arc(8.98,105.56) 8.91,105.39 8.91,105.27 arc(8.98,105.1) 9.15,105.03 9.64,105.03 arc(9.81,104.96) 9.88,104.79 9.88,104.67 arc(9.81,104.5) 9.64,104.43 9.15,104.43 arc(8.98,104.36) 8.91,104.19 8.91,104.07 arc(8.98,103.9) 9.15,103.83 9.64,103.83 arc(9.81,103.76) 9.88,103.59 9.88,103.47 arc(9.81,103.3) 9.64,103.23 9.15,103.23 arc(8.98,103.16) 8.91,102.99 8.91,102.87 arc(8.98,102.7) 9.15,102.63 9.64,102.63 arc(9.81,102.56) 9.88,102.39 9.88,102.27 arc(9.81,102.1) 9.64,102.03 9.15,102.03 arc(8.98,101.96) 8.91,101.79 8.91,101.67 arc(8.98,101.5) 9.15,101.43 9.64,101.43 arc(9.81,101.36) 9.88,101.19 9.88,97.98 arc(10.05,97.57) 10.47,97.39 10.85,97.39 arc(11,97.33) 11.06,97.18 11.06,96.98 arc(11,96.83) 10.85,96.77 9.28,96.77 arc(8.86,96.6) 8.69,96.18 8.69,95.98 arc(8.86,95.57) 9.28,95.39 10.85,95.39 arc(11,95.33) 11.06,95.18 11.06,94.98 arc(11,94.83) 10.85,94.77 9.28,94.77 arc(8.86,94.6) 8.69,94.18 8.69,93.98 arc(8.86,93.57) 9.28,93.39 10.85,93.39 arc(11,93.33) 11.06,93.18 11.06,92.98 arc(11,92.83) 10.85,92.77 9.28,92.77 arc(8.86,92.6) 8.69,92.18 8.69,91.98 arc(8.86,91.57) 9.28,91.39 9.67,91.39 arc(9.81,91.33) 9.88,91.18 9.88,20.16 J7.6
DHT: length 102.8
  Top w0.25: v1(59.63,82.88) 58.86,83.65 43.21,83.65 v1(42.81,84.05) ; v1(80.3,54.95) 80.06,55.19 U1.12 74.21,55 61.01,55 v1(60.76,55.25) ; R1.1 79.28,28.28 v1(80.26,29.25)
  Bottom w0.25: v1(42.81,84.05) 42.36,84.5 42.36,91 43.96,92.6 ; v1(60.76,55.25) 60.01,56 60.01,82.5 v1(59.63,82.88) ; v1(80.26,29.25) 80.26,54.91 v1(80.3,54.95)
EN: length 26.5
  Top w0.25: v1(69.61,28.1) 70.43,28.93 73.53,28.93 U1.2
  Bottom w0.25: v1(69.61,28.1) J18.3
I_in: length 40
  Top w0.25: U2.7 19.97,73.14 20.86,72.25 v1(46.76,72.25)
  Bottom w0.25: U1.24 48.94,62.75 47.26,62.75 46.76,63.25 v1(46.76,72.25)
LED0: length 104.2
  Top w0.25: U1.37 57.05,29.79 v1(57.63,30.38) ; v1(61.85,122.2) 61.85,123.89 R20.1
  Bottom w0.25: v1(57.63,30.38) 58.01,30.75 58.01,107.6 61.76,111.35 61.76,122.11 v1(61.85,122.2)
Navlight: length 104.5
  Top w0.25: v1(56.76,45.5) 56.29,45.03 U1.31 ; J5.5 71.41,123.7 67.36,119.65 61.76,119.65 v1(59.43,121.98) 59.43,123.88 R21.1
  Bottom w0.25: v1(56.76,45.5) 57.14,45.88 57.14,108.38 59.46,110.7 59.46,121.95 v1(59.43,121.98)
NW: length 2.9
  Top w0.25: U1.30 49,47.58 47.51,47.58 R16.2
NW_5V: length 47.8
  Top w0.5: v1(58.56,111.87) 58.61,111.92 U3.1 65.33,111.92 ; 65.33,111.92 65.33,110.74 v1(62.63,108.05) ; 65.33,111.92 70.06,116.65 J3.1 J3.2
  Bottom w0.5: v1(62.63,108.05) 62.26,107.68 62.26,95.8 JP2.1 ; v1(55.31,116.87) 58.56,113.62 v1(58.56,111.87)
NW_out: length 105.3
  Top w0.25: v1(66.43,93.92) 66.43,93.57 60.36,87.5 v1(53.51,87.5) 53.51,92.69 K1.5 53.91,94.91 53.91,99.56 R13.1 ; R3.1 53.58,68.9 v1(53.01,69.48)
  Top w0.5: J14.2 54.33,130.47 v1(64.43,130.47)
  Top w0.8: C1.1 65.38,114.12 v1(66.51,115.25)
  Bottom w0.25: v1(53.01,69.48) 53.01,87 v1(53.51,87.5) ; JP1.1 66.43,96.12 v1(66.43,93.92)
  Bottom w0.5: v1(64.43,130.47) 66.51,128.4 v1(66.51,115.25) 66.51,96.45 JP1.1
P1_out: length 59.4
  Top w0.25: R9.1 61.21,48.45 v1(60.51,47.75) ; v1(59.76,32) 59.18,31.43 46.94,31.43 R14.1 45.6,32.46 K2.5
  Top w0.8: K2.5 38.37,25.23 J6.4 39.64,18.86 J6.5
  Bottom w0.25: v1(60.51,47.75) 60.51,32.75 v1(59.76,32)
P2_out: length 98.7
  Top w0.25: v1(64.01,31.5) 48.51,16 v1(45.51,16) ; R5.1 66.01,51.5 v1(65.51,51) ; v1(33.26,16) 32.26,17 32.26,30.87 R15.1 27.69,30.09 K3.5
  Top w0.8: K3.5 22.87,24.66 J17.4 24.14,18.86 J17.5
  Bottom w0.25: v1(64.01,31.5) 64.51,32 64.51,50 v1(65.51,51) ; v1(33.26,16) v1(45.51,16)
P3_NW: length 5
  Top w0.8: J7.4 8.64,18.86 J7.5
  Bottom w0.8: J7.5 8.64,15.64
P3_out: length 106.9
  Top w0.25: v1(67.76,19.5) 53.01,19.5 48.26,14.75 v1(45.26,14.75) ; K4.5 12.89,30.22 14.93,32.26 R17.1 16.25,32.26 v1(17.01,31.5) ; R11.1 69.23,30.73 v1(68.26,29.75)
  Bottom w0.25: v1(17.01,31.5) 17.01,18.22 20.47,14.75 v1(45.26,14.75) ; v1(67.76,19.5) 68.26,20 v1(68.26,29.75)
  Bottom w0.8: JP3.1 11.05,11.86 14.07,14.89 14.07,28.3 K4.5
Power 1: length 3.1
  Top w0.25: 71.67,42.5 R22.2 71.52,42.49 U1.7
Power 2: length 2.9
  Top w0.25: 71.61,45.03 71.58,45 ; R23.2 71.58,45.03 U1.8
Power 3: length 3.1
  Top w0.25: R24.2 73.68,46.85 U1.9
RX: length 62
  Top w0.25: v1(65.51,33.25) 48.36,33.25 47.26,34.35 47.26,35.67 U1.34 ; J8.2 79.76,56.55 81.01,55.3 81.01,35 79.26,33.25 v1(69.01,33.25)
  Bottom w0.25: v1(65.51,33.25) v1(69.01,33.25)
SCL: length 155.9
  Top w0.25: J11.4 65.06,9.01 v1(65.11,9.05) ; v1(65.11,16.05) 64.16,17 53.26,17 v1(52.51,17.75) ; v1(67.71,107.55) 67.41,107.25 53.11,107.25 v1(53.01,107.15) ; U1.28 51.36,52.65 v1(51.51,52.5) ; J5.1 75.41,124.2 v1(75.11,123.9)
  Bottom w0.25: v1(67.71,107.55) 67.96,107.8 67.96,121.45 70.41,123.9 v1(75.11,123.9) ; v1(65.11,9.05) v1(65.11,16.05) ; v1(52.51,17.75) 52.01,18.25 52.01,52 v1(51.51,52.5) 51.51,105.65 v1(53.01,107.15)
SDA: length 150.7
  Top w0.25: v1(64.08,9.05) 64.08,5.83 J11.3 ; v1(53.21,105.75) 53.86,106.4 68.21,106.4 v1(68.36,106.55) ; U1.27 52.07,55.19 v1(52.51,54.75) ; J5.2 74.41,124.8 v1(72.46,122.85)
  Bottom w0.25: v1(53.21,105.75) 52.3,104.84 52.3,54.96 v1(52.51,54.75) 53.76,53.5 53.76,16.2 55.86,14.1 62.26,14.1 64.08,12.28 v1(64.08,9.05) ; v1(72.46,122.85) 71.81,122.2 70.71,122.2 68.71,120.2 68.71,106.9 v1(68.36,106.55)
SST: length 86.1
  Top w0.25: v1(80.34,27.34) 79.73,26.72 R2.1 ; J2.3 57.56,10.85 v1(80.31,10.85) ; U1.15 79.7,62.81 v1(80.51,62)
  Bottom w0.25: 81.01,28 81.01,61.5 v1(80.51,62) ; 81.01,28 81.01,11.55 v1(80.31,10.85) ; 81.01,28 v1(80.34,27.34)
TX: length 51.6
  Top w0.25: v1(69.76,33.97) 79.02,33.97 80.21,35.15 80.21,52.36 J8.3 ; v1(66.26,33.97) 49.91,33.97 U1.35
  Bottom w0.25: v1(66.26,33.97) v1(69.76,33.97)
WD_EN*: length 72
  Top w0.25: v1(47.76,1.05) 48.31,0.5 79.66,0.5 80.41,1.25 80.41,5.15 J19.1
  Bottom w0.25: v1(47.76,1.05) 47.26,1.55 47.26,30.59 U1.36
WD_IN: length 64.6
  Top w0.25: v1(75.76,12.75) 73.56,14.95 52.31,14.95 v1(51.01,16.25)
  Bottom w0.25: J19.3 76.49,1.97 75.76,2.7 v1(75.76,12.75) ; U1.33 50.31,39.95 51.01,39.25 v1(51.01,16.25)
Net-(D1-A): length 2.1
  Top w0.25: D1.2 60.58,126.67 R21.2
Net-(D2-A): length 2.2
  Top w0.25: D2.2 63.17,126.86 R20.2
Net-(D3-A): length 2.2
  Top w0.25: R19.2 65.76,126.95 D3.2
Net-(D4-A): length 2.9
  Top w0.25: R13.2 49.85,100.01 D4.2
Net-(D5-A): length 2.5
  Top w0.25: R14.2 D5.2
Net-(D6-A): length 2.5
  Top w0.25: R15.2 D6.2
Net-(D7-A): length 2.4
  Top w0.25: 15.63,30.8 D7.2
Net-(K1-+CONTROL): length 67.9
  Top w0.25: 47.22,96.54 K1.1 ; 44.83,46.55 44.83,47.4 v1(45.41,47.97) 46.01,48.57 46.01,49.5 36.97,58.54 TP1.1
  Bottom w0.25: v1(45.41,47.97) 46.01,48.57 46.01,95.35 K1.1
Net-(K1-LOAD1): length 18.5
  Top w0.8: F1.3 55.4,97.12 K1.6 56,95.36 56,92.64 K1.4 60.22,91.46 F1.4
Net-(K2-+CONTROL): length 81.7
  Top w0.25: v1(30.01,44) 30.01,42 32.26,39.75 ; R22.1 68.86,41.5 34.01,41.5 32.26,39.75 ; 32.26,39.75 32.26,34.76 35,32.02 ; TP2.1 30.01,63.08 v1(30.01,56)
  Bottom w0.25: v1(30.01,56) v1(30.01,44)
Net-(K2-LOAD1): length 20
  Top w0.8: 42.62,32.02 41.86,32.78 F2.4 F2.3
  Bottom w0.8: K2.4 43.8,28.12 43.8,30.84 42.62,32.02
Net-(K3-+CONTROL): length 89.1
  Top w0.25: v1(31.26,56) 31.26,61.28 TP3.1 ; v1(28.06,42.5) 21.08,42.5 18.26,39.68 18.26,33.83 20.07,32.02 ; R23.1 66.41,45.05 65.11,43.75 48.26,43.75 47.01,42.5 v1(32.16,42.5)
  Bottom w0.25: v1(31.26,56) 31.26,42.5 ; 31.26,42.5 v1(28.06,42.5) ; 31.26,42.5 v1(32.16,42.5)
Net-(K3-LOAD1): length 19.9
  Top w0.8: F3.3 F3.4 27.11,32.6 27.69,32.02
  Bottom w0.8: K3.4 28.87,28.12 28.87,30.84 27.69,32.02
Net-(K4-+CONTROL): length 99
  Top w0.25: 43.76,45.73 43.76,50.29 36.07,57.98 36.07,63.04 TP4.1 ; 43.76,45.73 48.02,45.73 48.79,46.5 69.58,46.5 R24.1 ; 43.76,45.73 9.51,45.73 4.19,40.41 4.19,33.1 5.27,32.02
Net-(K4-LOAD1): length 20.3
  Top w0.8: 12.84,32.19 12.89,32.14 12.89,32.02 12.31,32.6 F4.4 F4.3
  Bottom w0.8: 12.89,32.02 11.51,30.63 11.51,28.32 K4.4
Net-(U3-BST): length 5.2
  Top w0.5: 52.33,110.87 53.38,111.92 U3.6
Net-(U4-BST): length 5.2
  Top w0.5: U4.6 62.01,63.75 61.51,64.25 C8.1
Net-(U4-SW): length 2.5
  Top w0.5: 64.01,70 63.98,70.03 C8.2

## Copper pours and planes (outline as drawn; the poured copper is in the pictures)
5VIN on Top: 66.76,63 66.76,73.75 71.76,73.75 71.76,63
24VIN on Top: 64.76,55.25 64.76,59.5 64.26,61.5 62.51,61.5 62.51,55.25
24VIN on Top: 20.75,71.65 24.01,71.65 24.01,65.7 23.21,65.7 20.76,68.2
24VIN on Bottom: 83.5,132 83.5,-0.5 -1.5,-0.5 -1.5,132
GND on Top: 83.5,132 83.5,-0.5 -1.5,-0.5 -1.5,132
GND on Top: 56.31,113.37 57.81,113.37 59.06,114.37 60.31,114.37 61.31,114.87 65.56,114.87 65.56,117.87 63.31,117.87 60.56,120.62 58.31,120.62 58.31,115.62 56.31,114.62
NW_5V on Top: 57.81,115.62 57.81,121.22 47.06,121.22 47.06,115.62
NW_out on Top: 59.06,112.62 60.56,112.62 61.06,113.12 65.56,113.12 65.56,114.87 61.31,114.87 60.31,114.37 59.06,114.37
P3_NW on Bottom: 5.15,12.44 5.95,12.94 10.35,12.94 10.35,14.14 9.01,16.04 7.35,16.04 5.15,13.84
Net-(J4-Pin_2) on Top: 20.6,71.5 20.6,67 11.51,66.35 10.01,66.3 10.06,73.2
Net-(U3-SW) on Top: 57.81,112.1 57.81,113.37 56.31,113.37 54.56,115.37 47.06,115.37 47.06,110.07 51.76,110.07 51.76,112.12
Net-(U4-SW) on Top: 62.51,62.75 62.51,73.75 65.26,73.75 65.26,66.25 63.51,64.25 63.51,62.75

## Text on the board
B.Silkscreen: 1. Not using additional power / - Do nothing / 2. Using 24/5V JST (J15) / - Select 24V or 5V using JP1 and JP2 / 3. Using PoE 3 for PoE network device / - Select 24V or 5V using JP1 and JP2 / - Cut JP3 and solder JP4 | NW | Select / only / P3-JP3 / OR / NW-JP4 | P3 | 5V | 24V | Select only / 24V (JP1) / OR / 5V (JP2) | Additional Network Power Setup:
F.Silkscreen: GND | Data | 3V3 | WDO | 5V | WDI | EN | NAV | DEBUG | ALARM | Rx | Tx | A(1,7) | A(1,6) | M3 | ETH IN | 24V IN | DHT22 | SST | + Router - | + Switch 5V - | Nav PCB | UART | 24/5V | Control Testpoints | Watchdog | Designed By | david@ausocean.org | V4 REV B | P1 | P2 | P3 | NW | Controller PCB | + | Data 3 | PoE 3 | Data 2 | PoE 2 | Data 1 | PoE 1 | -
